# KiCad board haasoscope_pro_adc_fpga_board.kicad_pcb (continued)
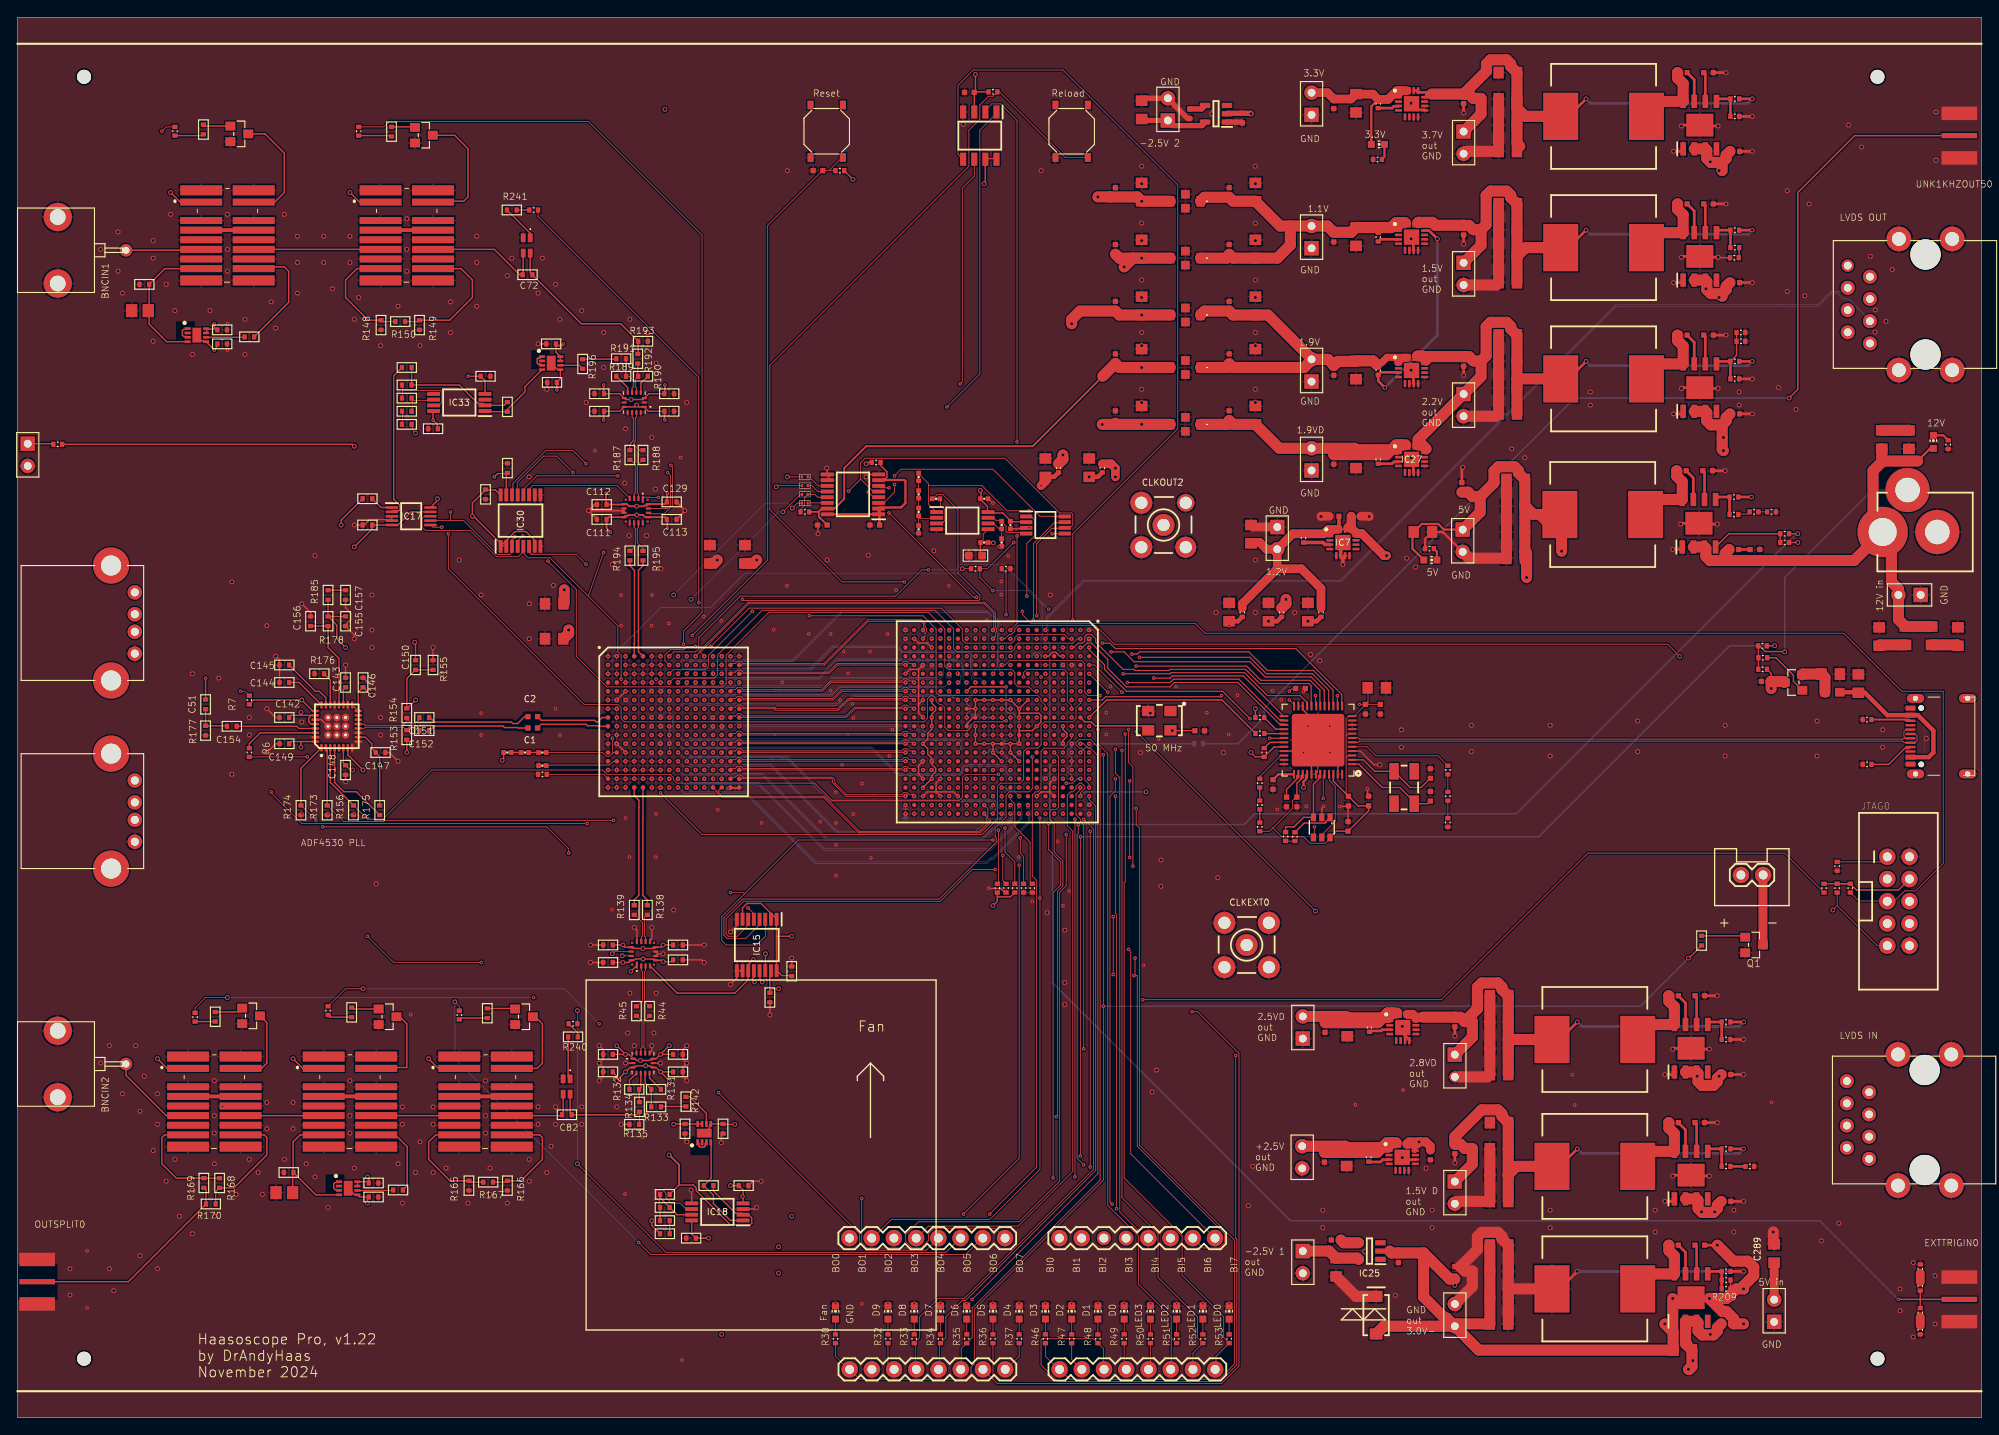
[diagram p0: board, top side]
## Routing (per net, layer and track width the routed paths; a pad name or vN(x,y) marks a point on that pad's centre or on a via; arc(x,y) is an arc through that point) (continued)
DEBUGOUT7: length 73.5
  Top w0.089: v1(122.5,71) 122.5,70.62 123.25,69.88 123.25,28.25 108.38,13.38 108,13.38 106.12,11.5 106.12,9.12 R34.P$1 105.38,8.38 105.38,5.5 J11.4
DEBUGOUT8: length 83.6
  Top w0.089: 102.62,8.62 102.62,5.5 J11.5 ; 102.62,8.62 103.12,9.12 103.12,11.5 105.25,13.62 108.25,13.62 123,28.38 123,67.25 v1(121.88,68.38) ; 102.62,8.62 R33.P$1
  In2.Cu w0.089: v1(121.88,68.38) 121.88,77.25 121.5,77.62 v1(121.5,78)
DEBUGOUT9: length 86.2
  Top w0.089: R32.P$1 99.5,6.12 100.12,5.5 J11.6 ; v1(109.12,13.5) 123.5,27.88 123.5,75.62 122.62,76.5 122.38,76.5 121.88,77 v1(121.5,77)
  In2.Cu w0.089: v1(109.12,13.5) 108.25,13.5 100.25,5.5 J11.6
EXTTRIGIN: length 146.3
  Top w0.16: IC5.E16 v1(118.52,75) ; R31.P$2 217.5,13.5 ; 217.5,13.5 v1(215,13.5) ; 217.5,13.5 R160.P$2 ; 217.5,13.5 EXTTRIGIN0.P
  Bottom w0.16: v1(215,13.5) 206,22.5 145.5,22.5 118.3,49.69 118.3,68.05 118,68.36 118,74.5 118.02,74.5 v1(118.52,75)
FAN-: length 8
  Top w1.016: JST_FAN0.2 199.52,61.98 Q1.3
FAN_CONTROL: length 174.9
  Top w0.089: R30.P$1 93.5,7 95,5.5 J11.8 95.12,5.5 96.25,4.38 108.38,4.38 109,5 109,5.75 109.38,6.12 109.38,12.38 124.12,27.12 v1(124.12,47) v1(124.12,75.75)
  Top w0.152: R208.P$2 191.05,52.5 v2(191,52.5)
  In2.Cu w0.089: v1(124.12,75.75) 124.12,77 122.75,78.38 121.25,78.38 121.12,78.25 121.12,75.75 121.5,75.38 v1(121.5,75)
  Bottom w0.152: v2(191,52.5) 185.5,47 v1(124.12,47)
FILTIN: length 13.2
  Top w0.152: R167.P$1 51.75,26.9 R165.P$1
  Top w0.16: R165.P$1 49.45,27.05 47,29.5 47,31.5 47.8,32.3 K3.4
FILTIN2: length 13.4
  Top w0.152: R150.P$1 41.7,125.25 R148.P$1
  Top w0.16: K5.4 38.8,131.3 37.5,130 37.5,128 40.1,125.4 R148.P$1
FILTOUT: length 12.9
  Top w0.152: R166.P$1 55.85,26.9 R167.P$2
  Top w0.16: R166.P$1 57.55,27.05 60,29.5 60,32 59.7,32.3 K3.5
FILTOUT2: length 15.9
  Top w0.152: R150.P$2 45.8,125.25 R149.P$1
  Top w0.16: R149.P$1 49.4,125.4 52,128 52,130 50.7,131.3 K5.5
FTDI_AC0_RXF: length 28.2
  Top w0.12: IC8.21 147.38,81.38 147.38,81.75 146.62,82.5 142.88,82.5 140.25,85.12 131.88,85.12 131.75,85 v1(126.38,85)
  In2.Cu w0.12: v1(121.5,84) 121.88,84 122.38,84.5 125.88,84.5 v1(126.38,85)
FTDI_AC1_TXE: length 26.3
  Top w0.12: v1(129.88,84.5) 131.75,84.5 132,84.75 140.12,84.75 144.75,80.12 IC8.25
  In2.Cu w0.12: v1(121.5,87) 121.88,87 122.38,86.5 127.88,86.5 v1(129.88,84.5)
FTDI_AC2_RD: length 25.8
  Top w0.12: v1(126.88,84) 131.75,84 132.12,84.38 139.62,84.38 144.25,79.75 144.75,79.75 IC8.26
  In2.Cu w0.12: v1(121.5,83) 121.88,83 122.38,83.5 124.25,83.5 124.75,84 v1(126.88,84)
FTDI_AC3_WR: length 28.4
  Top w0.12: IC8.27 144.75,79.25 144.25,79.25 139.5,84 132.25,84 131.75,83.5 126.75,83.5 124.62,85.62 124.62,86.62 122.75,88.5 122.25,88.5 121.75,88 v1(121.5,88)
FTDI_AC4_SIWU: length 2.8
  Top w0.152: R121.P$1 143.84,78.66 IC8.28
FTDI_AC5_CLK: length 21.4
  Top w0.15: v1(122.5,80) 124.5,82 137.69,82 R184.P$2
FTDI_AC6_OE: length 27
  Top w0.12: IC8.30 144.75,77.62 v1(143.12,77.62) ; v1(122.5,88) 122.5,87.75 124.25,86 124.25,85.5 126.75,83 137.75,83 v1(140.88,79.88)
  In2.Cu w0.12: v1(143.12,77.62) v1(140.88,79.88)
FTDI_AC7_PWRSAV: length 2.5
  Top w0.152: IC8.31 143.16,77.16 R123.P$1
FTDI_DATA0: length 43.9
  Top w0.12: IC8.13 151.38,81.38 151.38,82.62 146.12,87.88 125.5,87.88 124.88,88.5 v1(124,88.5)
  In2.Cu w0.12: v1(124,88.5) 120.38,88.5 120,88.12 120,85.88 118,83.88 118,82.88 116.5,81.38 v1(116.5,81)
FTDI_DATA1: length 30.6
  Top w0.12: IC8.14 150.88,81.38 v1(150.88,82.5) ; v1(137.62,82.5) 137.5,82.38 124.38,82.38 124,82 v1(122.5,82)
  In2.Cu w0.12: v1(150.88,82.5) 149.88,83.5 139.75,83.5 138.75,82.5 v1(137.62,82.5)
FTDI_DATA2: length 36.5
  Top w0.12: IC8.15 150.38,81.38 150.38,83.12 148.12,85.38 142.88,85.38 140.75,87.5 128.25,87.5 128,87.25 v1(127.38,87.25)
  In7.Cu w0.12: v1(127.38,87.25) 125.38,85.25 125,85.25 124.75,85.5 120.38,85.5 119.5,84.62 v1(119.5,84)
FTDI_DATA3: length 34.4
  Top w0.12: IC8.16 149.88,81.38 149.88,83.12 148,85 142.75,85 140.88,86.88 v1(128.25,86.88)
  In7.Cu w0.12: v1(128.25,86.88) 127.62,86.88 124.25,83.5 121.38,83.5 120.88,83 v1(120.5,83)
FTDI_DATA4: length 36.1
  Top w0.12: v1(125,87.5) 126.5,87.5 127.62,86.38 140.88,86.38 142.62,84.62 147.88,84.62 149.38,83.12 149.38,81.38 IC8.17
  In2.Cu w0.12: v1(125,87.5) 121.38,87.5 121,87.12 121,85.88 120.62,85.5 120.38,85.5 120,85.12 120,84.88 120.5,84.38 v1(120.5,84)
FTDI_DATA5: length 31.9
  Top w0.12: v1(127.88,85.88) 140.5,85.88 142.12,84.25 147.75,84.25 148.88,83.12 148.88,81.38 IC8.18
  In2.Cu w0.12: v1(127.88,85.88) 126.62,85.88 126,85.25 125,85.25 124.75,85.5 122.38,85.5 121.88,85 v1(120.5,85)
FTDI_DATA6: length 32
  Top w0.12: v1(148.38,82.5) 148.38,81.38 IC8.19
  In7.Cu w0.12: v1(148.38,82.5) 143.12,87.75 127.25,87.75 126,86.5 121.38,86.5 120.88,87 v1(120.5,87)
FTDI_DATA7: length 33.4
  Top w0.12: v1(120.5,88) 120.75,88 121.25,88.5 121.75,88.5 122,88.75 122,89.25 122.25,89.5 122.75,89.5 123.25,89 123.25,88.62 126.38,85.5 127.62,85.5 127.75,85.38 131.62,85.38 131.75,85.5 140.38,85.5 142,83.88 147.62,83.88 147.88,83.62 147.88,81.38 IC8.20
INA_N: length 11.4
  Top w0.152: IC1.A5 70.98,87.52 70.98,96.82 71.5,97.35 R195.P$2
INA_P: length 11.2
  Top w0.152: R194.P$2 70,97.35 70.52,96.82 70.52,88.5 70.5,88.48 IC1.A4
INB_N: length 13.7
  Top w0.152: R138.P$2 72,59.15 71.48,59.68 71.48,68.5 71.5,68.52 71.5,70.83 71.5,70.83 IC1.T5
INB_P: length 13.9
  Top w0.152: IC1.T4 70.5,71.07 71.04,70.53 71.04,69.68 71.02,69.66 71.02,59.68 70.5,59.15 R139.P$2
INPATH: length 10.3
  Top w0.16: BNCIN2.SIGNAL 12.4,39.1 17,34.5 K1.3
INPATH2: length 8.6
  Top w0.16: BNCIN1.SIGNAL 20.9,133.4 K4.3
LED0: length 88.3
  Top w0.089: v1(126.62,78.12) 126.62,61.25 126.5,61.12 126.5,27.38 133.12,20.75 133.12,16.25 137.88,11.5 137.88,9.12 R53.P$1 137,7 137,5.5 J13.1 ; v1(122.5,86) 123.12,86 v1(126.25,82.88)
  In2.Cu w0.089: v1(126.62,78.12) 126.62,79.38 126.25,79.75 v1(126.25,82.88)
LED1: length 85.4
  Top w0.089: J13.2 134.38,5.5 134.38,7.38 R52.P$1 134.88,9.12 134.88,11.5 130.38,16 130.38,21 126.25,25.12 v1(126.25,76.25) ; v1(124.62,82.88) v1(122.5,85)
  In2.Cu w0.089: v1(124.62,82.88) 124.62,81 126.25,79.38 v1(126.25,76.25)
LED2: length 85.1
  Top w0.089: v1(123.5,78.62) 123.5,77 124.62,75.88 124.62,24.25 128.12,20.75 128.12,15.25 131.88,11.5 131.88,9.12 ; 131.88,9.12 131.88,5.5 J13.3 ; 131.88,9.12 R51.P$1
  In2.Cu w0.089: v1(123.5,78.62) 122.62,79.5 122.38,79.5 121,80.88 121,83.12 121.38,83.5 121.75,83.5 122.25,84 v1(122.5,84)
LED3: length 83.5
  Top w0.089: v1(128.12,21.38) 126,23.5 126,73.12 125.5,73.62 v1(125.5,76.38) ; J13.4 129.38,5.5 129.5,5.62 R50.P$1
  In2.Cu w0.089: J13.4 129.25,5.5 128.12,6.62 v1(128.12,21.38) ; v1(122.5,83) 122.5,82.62 124,81.12 124,77.88 v1(125.5,76.38)
LOCKDETECT: length 8.3
  Top w0.152: R7.P$1 27,82 v2(32.5,82) 33.75,80.75 U2.25
LVDSIN_CLK_N: length 110.8
  In2.Cu w0.089: U$1.P$8 208.52,37.86 208.52,37.72 208.39,37.58 197.32,37.58 197.03,37.28 197.03,37.12 197,37 196.5,36.5 143,36.5 116.5,63 v1(116.5,69)
  Bottom w0.203: v1(116.5,69) R23.2
LVDSIN_CLK_P: length 114.5
  In2.Cu w0.089: v1(116.5,70) 116.32,69.82 116.32,69.42 116.08,69.17 116.08,68.83 116.32,68.58 116.32,62.93 142.93,36.32 196.57,36.32 197.13,36.87 197.27,36.88 197.4,37.01 197.4,37.21 197.6,37.41 208.42,37.41 208.65,37.18 U$1.P$7
  Bottom w0.203: v1(116.5,70) R23.1
LVDSIN_SPARE0_N: length 112.1
  In7.Cu w0.089: v1(118.5,69) 118.5,58.68 142,35.18 195.82,35.18 197,34 207.2,34 U$1.P$6
  Bottom w0.203: v1(118.5,69) R25.2
LVDSIN_SPARE0_P: length 116.1
  In7.Cu w0.089: v1(118.5,70) 118.13,69.63 118.13,68.19 118.32,67.99 118.32,66.68 118.3,66.66 118.32,66.5 118.32,58.6 141.93,35 195.75,35 196.93,33.82 206.5,33.82 208.23,32.09 U$1.P$3
  Bottom w0.203: v1(118.5,70) R25.1
LVDSIN_TRIG_N: length 126.6
  In7.Cu w0.089: U$1.P$2 212.46,30.83 212.81,31.17 212.81,32.28 214.18,33.65 214.18,33.91 214.19,33.92 214.2,33.92 214.18,34 214.18,37.07 211.07,40.18 201.68,40.18 198.5,37 142,37 119.5,59.5 v1(119.5,69)
  Bottom w0.203: v1(119.5,69) R24.2
LVDSIN_TRIG_P: length 133.7
  In7.Cu w0.089: U$1.P$1 209,29.56 208.14,30.42 208.14,31.23 208.71,31.8 210.04,31.8 210.72,31.12 212.5,31.12 212.63,31.25 212.63,32.35 214,33.72 214,33.79 213.96,33.83 213.96,33.96 214,34 214,37 211,40 201.75,40 198.57,36.82 141.93,36.82 119.32,59.43 119.32,68.65 119.13,68.85 119.13,69.15 119.32,69.35 119.32,69.82 v1(119.5,70)
  Bottom w0.203: v1(119.5,70) R24.1
LVDSIN_TRIGB_N: length 115.5
  In7.Cu w0.089: U$3.P$5 211.75,127.73 209.32,125.3 206.98,125.3 205.78,126.5 201.24,126.5 201.22,126.48 201.12,126.48 201.08,126.48 201,126.5 148,126.5 126.68,105.18 126.68,104.18 115.5,93 v1(115.5,90)
  Bottom w0.152: R26.2 v1(115.5,90)
LVDSIN_TRIGB_P: length 113.8
  In7.Cu w0.089: v1(115.5,89) 115.32,89.18 115.32,89.65 115.13,89.85 115.13,90.15 115.32,90.35 115.32,93.07 126.5,104.25 126.5,105.25 147.93,126.68 201.07,126.68 201.08,126.68 201.1,126.67 201.15,126.66 201.17,126.68 205.85,126.68 207.06,125.47 208.12,125.47 U$3.P$4
  Bottom w0.152: R26.1 v1(115.5,89)
LVDSOUT_CLK_N: length 119.4
  In7.Cu w0.089: v1(114.5,90) 114.5,94.5 157,137 204.5,137 209.21,132.29 U$3.P$8
LVDSOUT_CLK_P: length 123.9
  In7.Cu w0.089: U$3.P$7 211.38,130.38 210.08,131.67 210.08,132.01 209.57,132.52 209.24,132.52 204.57,137.18 156.93,137.18 114.32,94.57 114.32,90.35 114.13,90.15 114.13,89.85 114.32,89.65 114.32,89.18 v1(114.5,89)
LVDSOUT_SPARE0_N: length 108.7
  Bottom w0.089: v1(117.5,90) 117.6,90.1 117.6,91.47 121.8,95.68 151.18,95.68 182.68,127.18 201,127.18 205.78,127.18 207.29,128.68 208.79,128.68 U$3.P$6
LVDSOUT_SPARE0_P: length 113.3
  Bottom w0.089: v1(117.5,89) 117.78,89.28 117.78,89.75 117.87,89.85 117.87,90.15 117.78,90.25 117.78,91.4 121.88,95.5 151.25,95.5 182.75,127 205.85,127 207.36,128.51 208.03,128.51 208.7,127.84 209.32,127.84 211.75,125.4 U$3.P$3
LVDSOUT_TRIG_N: length 111.7
  In7.Cu w0.089: U$3.P$2 207.19,122 156.43,122 141.82,107.4 141.82,105.5 132.82,96.5 124.25,96.5 120.75,93 116.93,93 116.92,92.99 116.74,92.97 116.61,92.84 116.61,92.16 116.87,91.9 116.87,88.37 v1(116.5,88)
LVDSOUT_TRIG_P: length 114.5
  In7.Cu w0.089: v1(116.5,87) 117.05,87.55 117.05,91.98 116.82,92.21 116.82,92.27 116.98,92.43 116.98,92.68 117,92.82 120.82,92.82 124.32,96.32 132.9,96.32 142,105.43 142,107.32 156.5,121.82 210.82,121.82 U$3.P$1
LVDSOUT_TRIGB_N: length 117.7
  In2.Cu w0.089: v1(117.5,69) 117.5,64 143.5,38 195.5,38 196.68,39.18 196.68,39.46 197.04,39.82 197.56,39.82 197.71,39.68 212.57,39.68 212.58,39.67 212.68,39.67 213.01,39.35 213.01,35.93 211.72,34.64 U$1.P$5
LVDSOUT_TRIGB_P: length 121.8
  In2.Cu w0.089: U$1.P$4 209.11,33.47 211.52,35.88 212.71,35.88 212.83,36 212.83,39.15 212.82,39.17 212.81,39.17 212.58,39.4 212.5,39.5 197.63,39.5 197.48,39.65 197.12,39.65 196.85,39.38 196.85,39.1 195.57,37.82 143.43,37.82 117.32,63.93 117.32,68.65 117.13,68.85 117.13,69.15 117.32,69.35 117.32,69.82 v1(117.5,70)
MSEL0: length 13.9
  Top w0.089: v1(112.62,64.25) 112.62,61.38 R83.P$1
  In2.Cu w0.089: v1(111.5,74) 111.5,73.62 111.12,73.25 111.12,65.75 v1(112.62,64.25)
MSEL1: length 12.6
  Top w0.089: R84.P$1 114,63.5 112.88,64.62 v1(112.88,67.38)
  In2.Cu w0.089: v1(112.5,73) 112.5,72.62 112.88,72.25 v1(112.88,67.38)
MSEL2: length 14
  Top w0.089: v1(114.62,66.25) 114.62,64.5 115,64.12 R85.P$1
  In2.Cu w0.089: v1(114.62,66.25) 113.12,67.75 113.12,73 112.5,73.62 v1(112.5,74)
MSEL3: length 11
  Top w0.089: R86.P$1 115.75,61.25 115.75,65.75 114,67.5 114,70.12 113.5,70.62 v1(113.5,71)
MUXOUT: length 8.6
  Top w0.152: U2.30 27.75,78.25 26.5,77 R6.P$1
N$1: length 1.8
  Top w0.152: FL4.1 59.8,121.1 59.52,121.1 59.4,120.98 59.4,120.52 59.52,120.4 59.8,120.4 FL4.3
N$2: length 1.8
  Top w0.152: FL1.3 78.6,31.3 78.6,31.02 78.48,30.9 78.02,30.9 77.9,31.02 77.9,31.3 FL1.1
N$3: length 1.5
  Top w0.152: R27.P$1 R28.P$2
N$4: length 1.5
  Top w0.152: R28.P$1 R29.P$2
N$5: length 2.4
  Top w0.152: R189.P$2 69.75,117.7 IC21.7
N$6: length 2.2
  Top w0.152: IC21.4 71.25,118.2 R190.P$2
N$7: length 4.5
  Top w0.089: R43.P$1 25.88,123.5 25.88,123.45
  Top w0.152: FL2.6 25.88,123.45
N$8: length 2.4
  Top w0.152: IC13.7 72.25,38.8 R131.P$2
N$9: length 2.2
  Top w0.152: R132.P$2 69.95,38.55 IC13.4
N$10: length 5.1
  Top w0.152: Q1.1 197.32,55.05 R208.P$1
N$11: length 4.4
  Top w0.152: C51.P$1 R177.P$2 23.9,79.05 C154.P$2
N$12: length 1.9
  Top w0.152: FL2.3 19.35,123.55 18.99,123.55 18.85,123.69 18.85,124.21 18.99,124.35 19.35,124.35 FL2.1
N$13: length 1
  Top w1.016: R31.P$1 R136.P$2
N$14: length 3.2
  Top w0.152: R140.P$1 21.41,147.59 Q4.1
N$15: length 8.9
  Top w0.089: IC18.6 77,23.88 76.38,23.88 75.75,24.5 74.75,24.5 74.12,25.12 74.12,25.62 73.75,26 73.12,26 73,25.88 73,25.12 73.38,24.75 73.38,24 R145.P$1
  Top w0.152: R145.P$1 R144.P$2
N$16: length 117.5
  Top w0.089: IC18.2 82.88,23.25 82.75,23.38 82.75,23.35
  Top w0.152: 82.75,23.35 82.1,23.35 79.91,25.54 79.91,25.55 79.55,25.9 R146.P$2 ; v2(37,102) 37,102.55 R143.P$1 ; R147.P$1 75.62,26.58 77.25,26.58 77.58,26.24 77.58,25.92 81.45,22.05 83.78,22.05 83.93,22.19 83.93,22.82 83.57,23.18 IC18.2
  Top w0.2: 75.62,26.58 75.62,28.88 v2(74.5,30)
  In7.Cu w0.152: v2(37,102) 46.5,92.5 46.5,52.5 69,30 v2(74.5,30)
N$17: length 2.1
  Top w0.152: U2.19 37.25,83.2 C146.P$2
N$18: length 2.7
  Top w0.152: Q5.1 45.37,147.5 R141.P$1
N$19: length 2
  Top w0.089: R38.P$1 R40.P$2
N$20: length 6.6
  Top w0.152: U2.23 35.25,82.25 34.5,83 34.05,83 C145.P$2
N$21: length 3.8
  Top w0.152: R176.P$2 35.75,84.3 U2.22
N$22: length 4.4
  Top w0.089: 45.12,116.25 45.12,116.5 R199.P$1 45.12,116.25 ; 45.12,116.25 45.12,115 R180.P$2 ; 45.12,116.25 47.5,116.25 IC33.6
N$23: length 1.7
  Top w0.305: R230.P$1 197.51,28.7 R137.P$2
N$24: length 2
  Top w0.152: R185.P$2 C157.P$1
N$25: length 1.8
  Top w0.089: LED25.A R37.P$2
N$26: length 1.8
  Top w0.089: LED26.A R36.P$2
N$27: length 1.8
  Top w0.089: LED27.A R35.P$2
N$28: length 1.8
  Top w0.089: LED28.A R34.P$2
N$29: length 1.8
  Top w0.089: LED29.A R33.P$2
N$30: length 1.8
  Top w0.089: LED30.A R32.P$2
N$31: length 1
  Top w1.016: R210.P$2 R160.P$1
N$32: length 1.8
  Top w0.089: LED32.A R30.P$2
N$33: length 14.1
  Top w0.152: R200.P$2 55.62,115.68 IC33.2 53.22,115.9 52.62,115.9 50.51,118 R201.P$1 R197.P$1
N$34: length 2
  Top w0.089: R40.P$1 R41.P$2
N$35: length 1.4
  Top w0.089: R234.P$1 196.75,103.25 197.75,103.25 R151.P$2
N$36: length 1
  Top w0.089: R152.P$2 R151.P$1
N$37: length 1.1
  Top w0.089: R157.P$1 145,65.88 146,65.88 R179.P$2
N$38: length 1.2
  Top w0.152: R224.P$1 196.8,132.6 R163.P$2
N$39: length 1.5
  Top w0.152: R172.P$1 R144.P$1
N$40: length 1.6
  Top w0.089: R181.P$1 44,113.5 44,115 R180.P$1
N$41: length 1.8
  Top w0.089: LED41.A R53.P$2
N$42: length 1.8
  Top w0.089: LED42.A R52.P$2
N$43: length 1.8
  Top w0.089: LED43.A R51.P$2
N$44: length 1.8
  Top w0.089: LED44.A R50.P$2
N$45: length 1.8
  Top w0.089: LED45.A R49.P$2
N$46: length 1.8
  Top w0.089: LED46.A R48.P$2
N$47: length 1.8
  Top w0.089: LED47.A R47.P$2
N$48: length 1.8
  Top w0.089: LED48.A R46.P$2
N$49: length 1.1
  Top w0.152: R127.2 R186.1
N$50: length 4.1
  Top w0.152: R159.P$1 42.9,25.95 FL3.6
N$51: length 1.9
  Top w0.152: FL3.3 36.65,26.05 36.29,26.05 36.15,26.19 36.15,26.71 36.29,26.85 36.65,26.85 FL3.1
N$52: length 129
  Top w0.16: v2(202.5,116.5) 203.5,117.5 203.5,140 210,146.5 UNK1KHZOUT50.P
  Bottom w0.16: v2(202.5,116.5) 177.98,116.5 142.5,81.02 142.5,80 139.5,77 R211.P$1
N$53: length 3.2
  Top w0.152: Q7.1 38.36,46.69 R162.P$1
N$54: length 1.1
  Top w0.152: R186.2 R198.1
N$55: length 3.2
  Top w0.152: Q8.1 56.82,46.75 R164.P$1
N$56: length 3.3
  Top w0.16: R171.P$1 25.24,46.35 Q9.1
N$57: length 1.1
  Top w0.089: R122.2 R202.1
N$58: length 1.1
  Top w0.089: R202.2 R203.1
N$59: length 1.9
  Top w0.254: LED2.C 220.13,112.25 R217.P$2
N$60: length 1.4
  Top w0.254: R235.P$2 162.25,98.95 LED3.C
N$61: length 1.9
  Top w0.61: C74.1 135.35,149.55 IC10.4
N$62: length 11
  Top w0.15: C127.1 161.2,70.15 Y3.3 159.65,70.35 158,72 156,72 153.34,74.66 IC8.1
N$63: length 10.7
  Top w0.15: C128.1 160.45,72 159.2,72 Y3.1 155.15,73.85 153.84,75.16 IC8.2
N$64: length 4.9
  Top w0.152: R240.P$1 62.95,38.93 K7.1
N$65: length 6
  Top w0.152: R239.P$2 201,86.83 203,84.83 203,84.13 Q2.1
N$66: length 4.3
  Top w0.152: K6.1 58.61,135.34 R241.P$1
N$74: length 4
  Top w0.089: IC8.34 144.75,75.62 144.38,75.62 142,73.25 R27.P$2
N$75: length 9.5
  Top w0.152: R157.P$2 144.95,67.45 145,67.5 145.91,67.5 147,68.59 IC9.3 148.14,72.37 148.73,72.96 148.73,73.33 IC8.43
N$76: length 8.2
  Top w0.089: IC9.5 149.12,66.38 149.12,66.62 150.62,68.12 150.62,72.12 150,72.75 150,73.5 IC8.45
N$77: length 7.8
  Top w0.089: IC9.4 148.25,66.38 v1(148.25,67.5) ; IC8.44 149.38,73.5 149.25,73.38 v1(149.25,70.75)
  In2.Cu w0.089: v1(149.25,70.75) 148.25,69.75 v1(148.25,67.5)
N$78: length 4.8
  Top w0.152: IC9.1 149.59,68.14 149.59,68.06 149.47,67.94 147.08,67.94 R179.P$1
N$80: length 2.3
  Top w0.15: R184.P$1 142.61,78.16 IC8.29
N$101: length 3.1
  Top w1.27: C242.2 216.18,112.82 C243.1
N$102: length 2.1
  Top w1.27: IC25.4 151.6,19.97 C250.1
N$105: length 8.5
  Top w1.27: L1.1 187.91,150.41 PS2.8 190.39,152.44 189.76,153.07 189.76,153.69 C260.1
N$106: length 3.6
  Top w0.305: C260.2 191.66,152.88 PS2.7
N$107: length 3.7
  Top w0.305: PS2.5 194.49,150.7 R221.P$1 R222.P$2
N$108: length 3.4
  Top w0.305: C261.1 192.94,153.52 PS2.6
N$109: length 8.5
  Top w1.27: L9.1 187.91,135.41 PS9.8 190.39,137.44 189.76,138.07 189.76,138.69 C264.1
N$110: length 3.6
  Top w0.305: C264.2 191.66,137.88 PS9.7
N$111: length 3.7
  Top w0.305: R224.P$2 R223.P$1 194.49,135.7 PS9.5
N$112: length 3.4
  Top w0.305: C265.1 192.94,138.52 PS9.6
N$113: length 8.5
  Top w1.27: C268.1 189.76,123.69 189.76,123.07 190.39,122.44 PS10.8 187.91,120.41 L10.1
N$114: length 3.6
  Top w0.305: PS10.7 191.66,122.89 C268.2
N$115: length 7.3
  Top w0.152: R205.P$2 R204.P$2 196.5,121.4 R225.P$1
  Top w0.305: R226.P$2 R225.P$1 194.49,120.7 PS10.5
N$116: length 3.4
  Top w0.305: PS10.6 192.94,123.52 C269.1
N$117: length 8.5
  Top w1.27: C272.1 188.76,48.19 188.76,47.57 189.39,46.94 PS11.8 186.91,44.91 L11.1
N$118: length 3.6
  Top w0.305: C272.2 190.66,47.39 PS11.7
N$119: length 3.7
  Top w0.305: PS11.5 193.49,45.2 R227.P$1 R228.P$2
N$120: length 3.4
  Top w0.305: PS11.6 191.94,48.02 C273.1
N$121: length 8.5
  Top w1.27: L12.1 186.91,30.41 PS12.8 189.39,32.44 188.76,33.07 188.76,33.69 C276.1
N$122: length 3.6
  Top w0.305: C276.2 190.66,32.89 PS12.7
N$123: length 3.7
  Top w0.305: PS12.5 193.49,30.7 R229.P$1 R230.P$2
N$124: length 3.4
  Top w0.305: C277.1 191.94,33.52 PS12.6
N$125: length 8.5
  Top w1.27: C280.1 188.76,19.69 188.76,19.07 189.39,18.44 PS13.8 186.91,16.41 L13.1
N$126: length 3.6
  Top w0.305: C280.2 190.66,18.89 PS13.7
N$127: length 3.9
  Top w0.152: R209.P$2 194.81,15.51 194.8,15.5
  Top w0.305: PS13.5 193.49,16.7 R231.P$1 R232.P$2
N$128: length 3.4
  Top w0.305: C281.1 191.94,19.52 PS13.6
N$129: length 8.5
  Top w1.27: L14.1 187.81,104.91 PS14.8 190.29,106.94 189.66,107.57 189.66,108.19 C284.1
N$130: length 3.6
  Top w0.305: PS14.7 191.56,107.39 C284.2
N$131: length 3.7
  Top w0.305: PS14.5 194.39,105.2 R233.P$1 R234.P$2
N$132: length 3.4
  Top w0.305: C285.1 192.83,108.02 PS14.6
N$135: length 1.3
  Top w0.305: C283.2 C318.1
N$136: length 3
  Top w1.27: C321.1 212.9,88.3 C319.2
N$137: length 3
  Top w1.27: C322.1 221.7,88.3 C320.2
N$138: length 1.8
  Top w0.254: R218.P$2 155.96,143.83 156.25,144.12 LED1.C
NCE: length 9.5
  Top w0.089: IC5.L3 v1(112.55,88) ; R81.P$1 113,96.5 v1(113,91.75)